# KiCad board panel.opm-inline.kicad_pcb
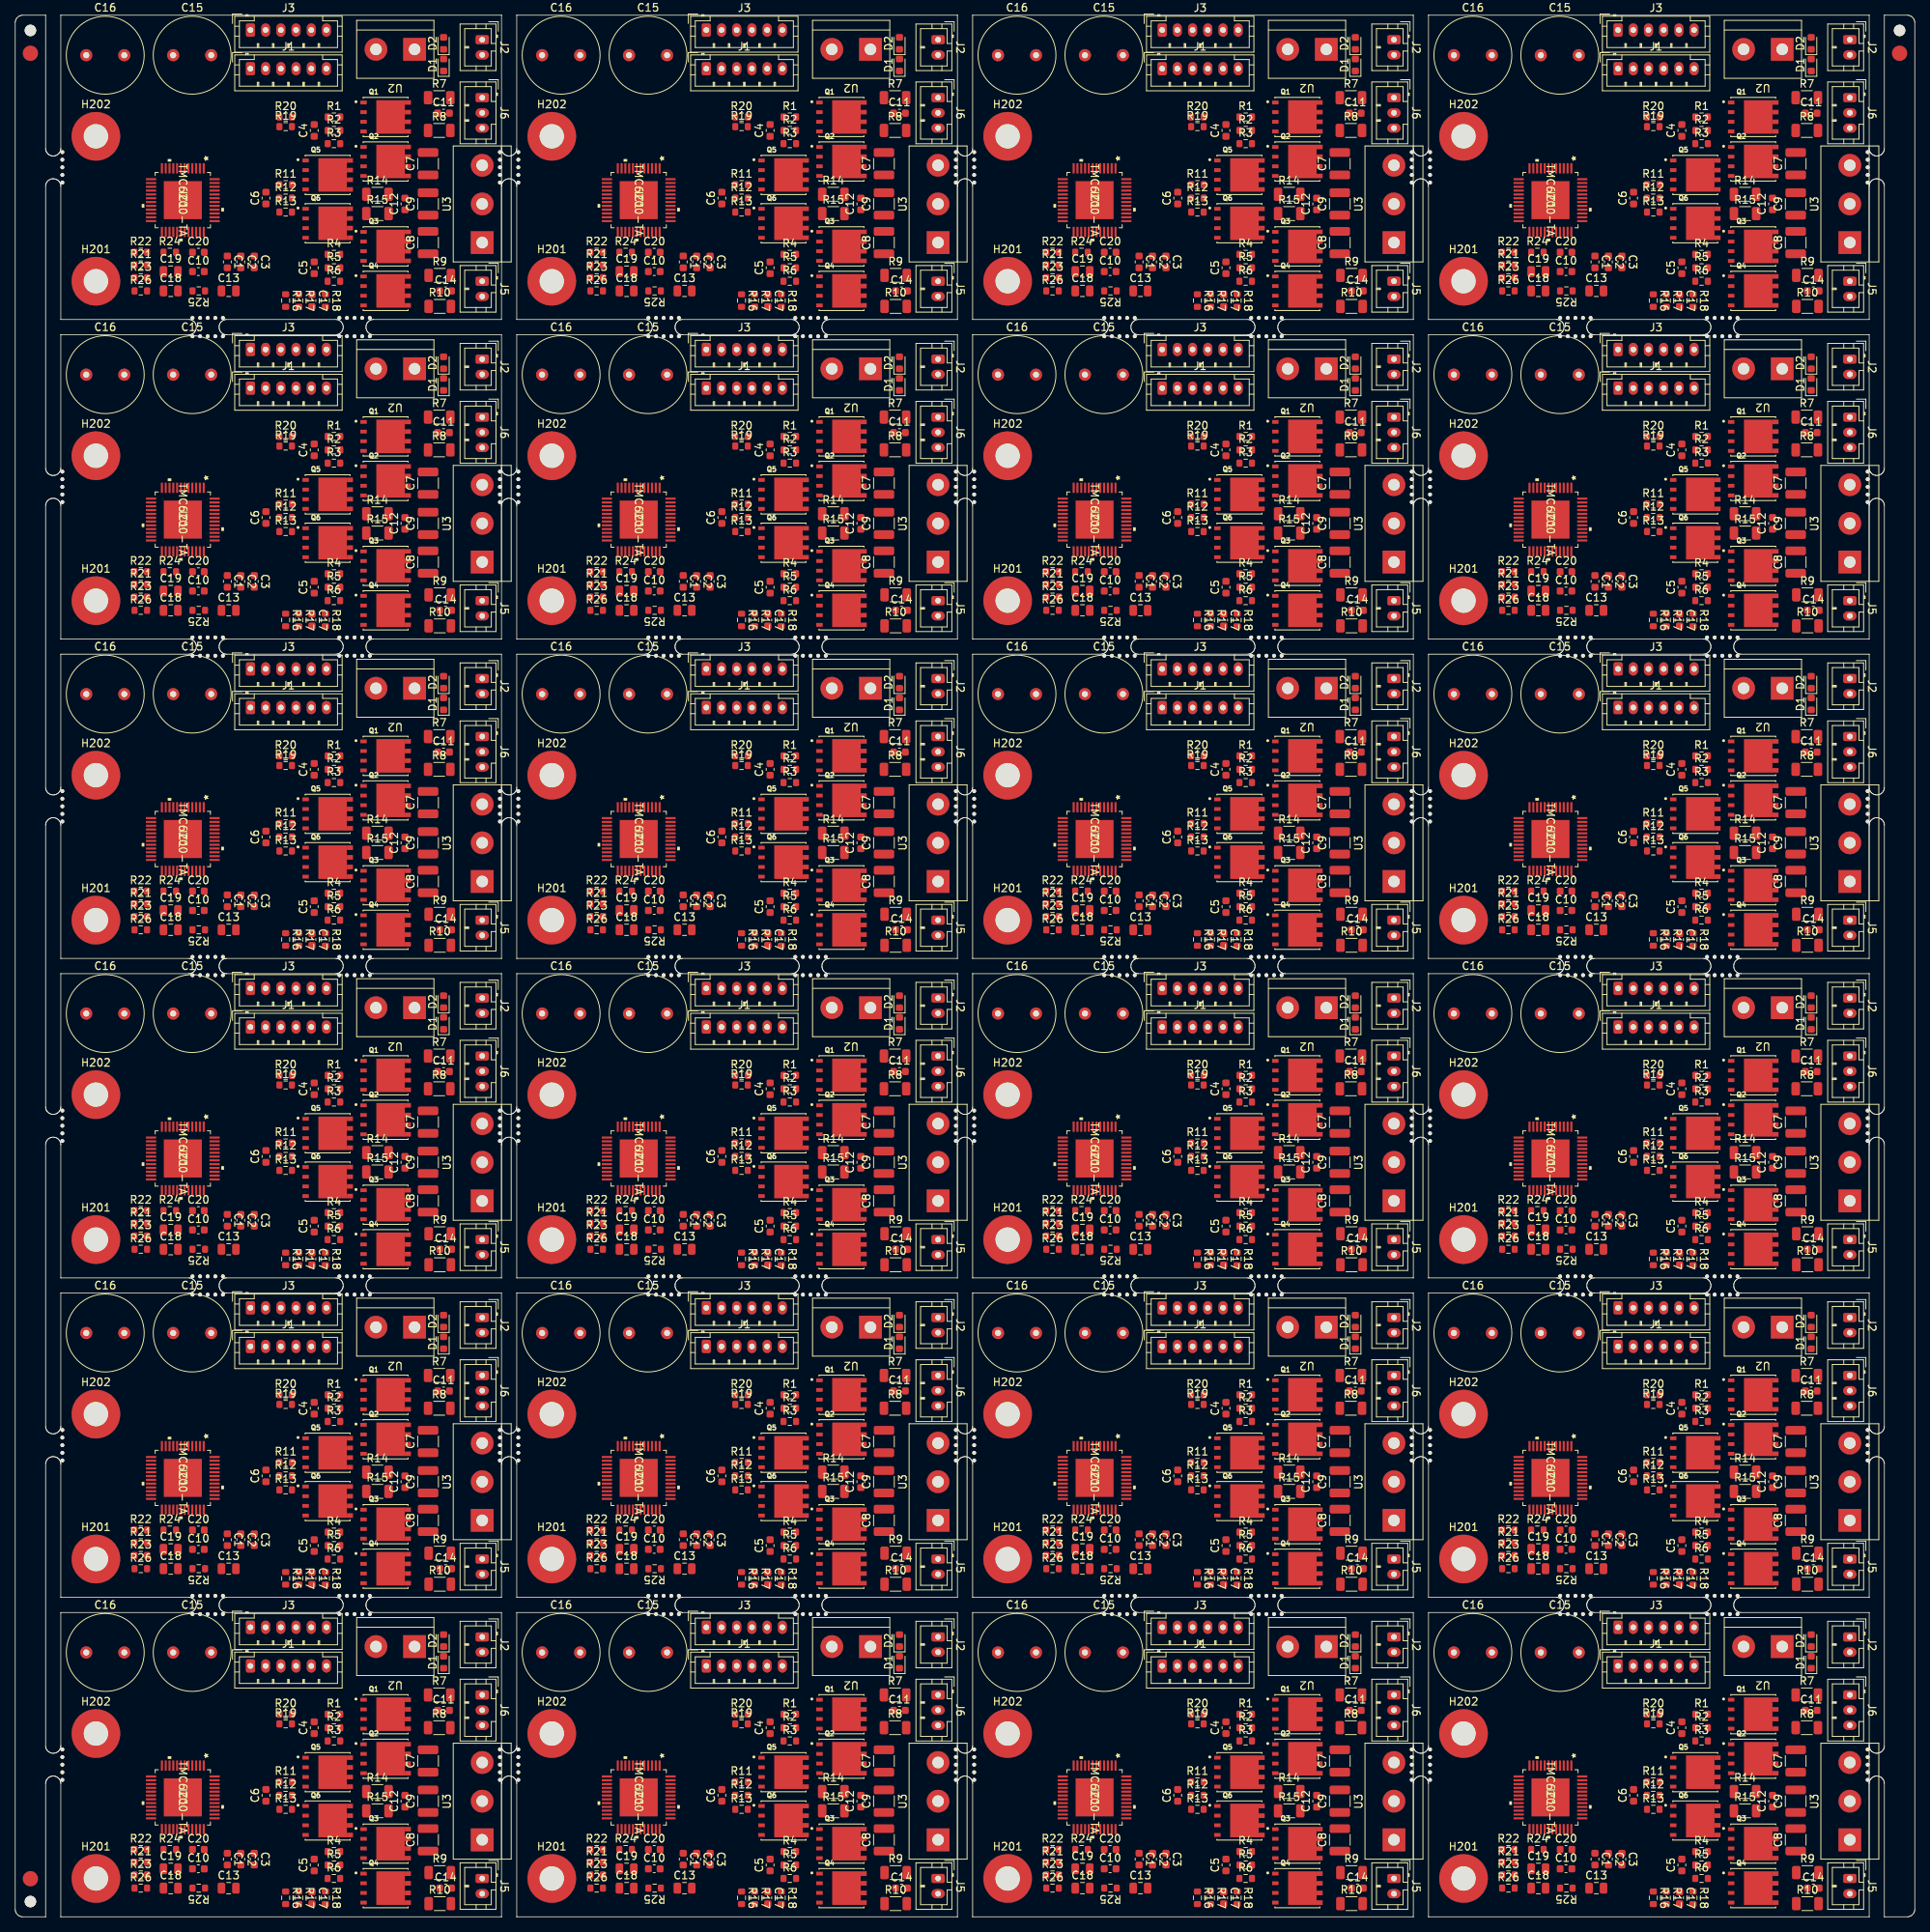
[diagram p0: board, top side]
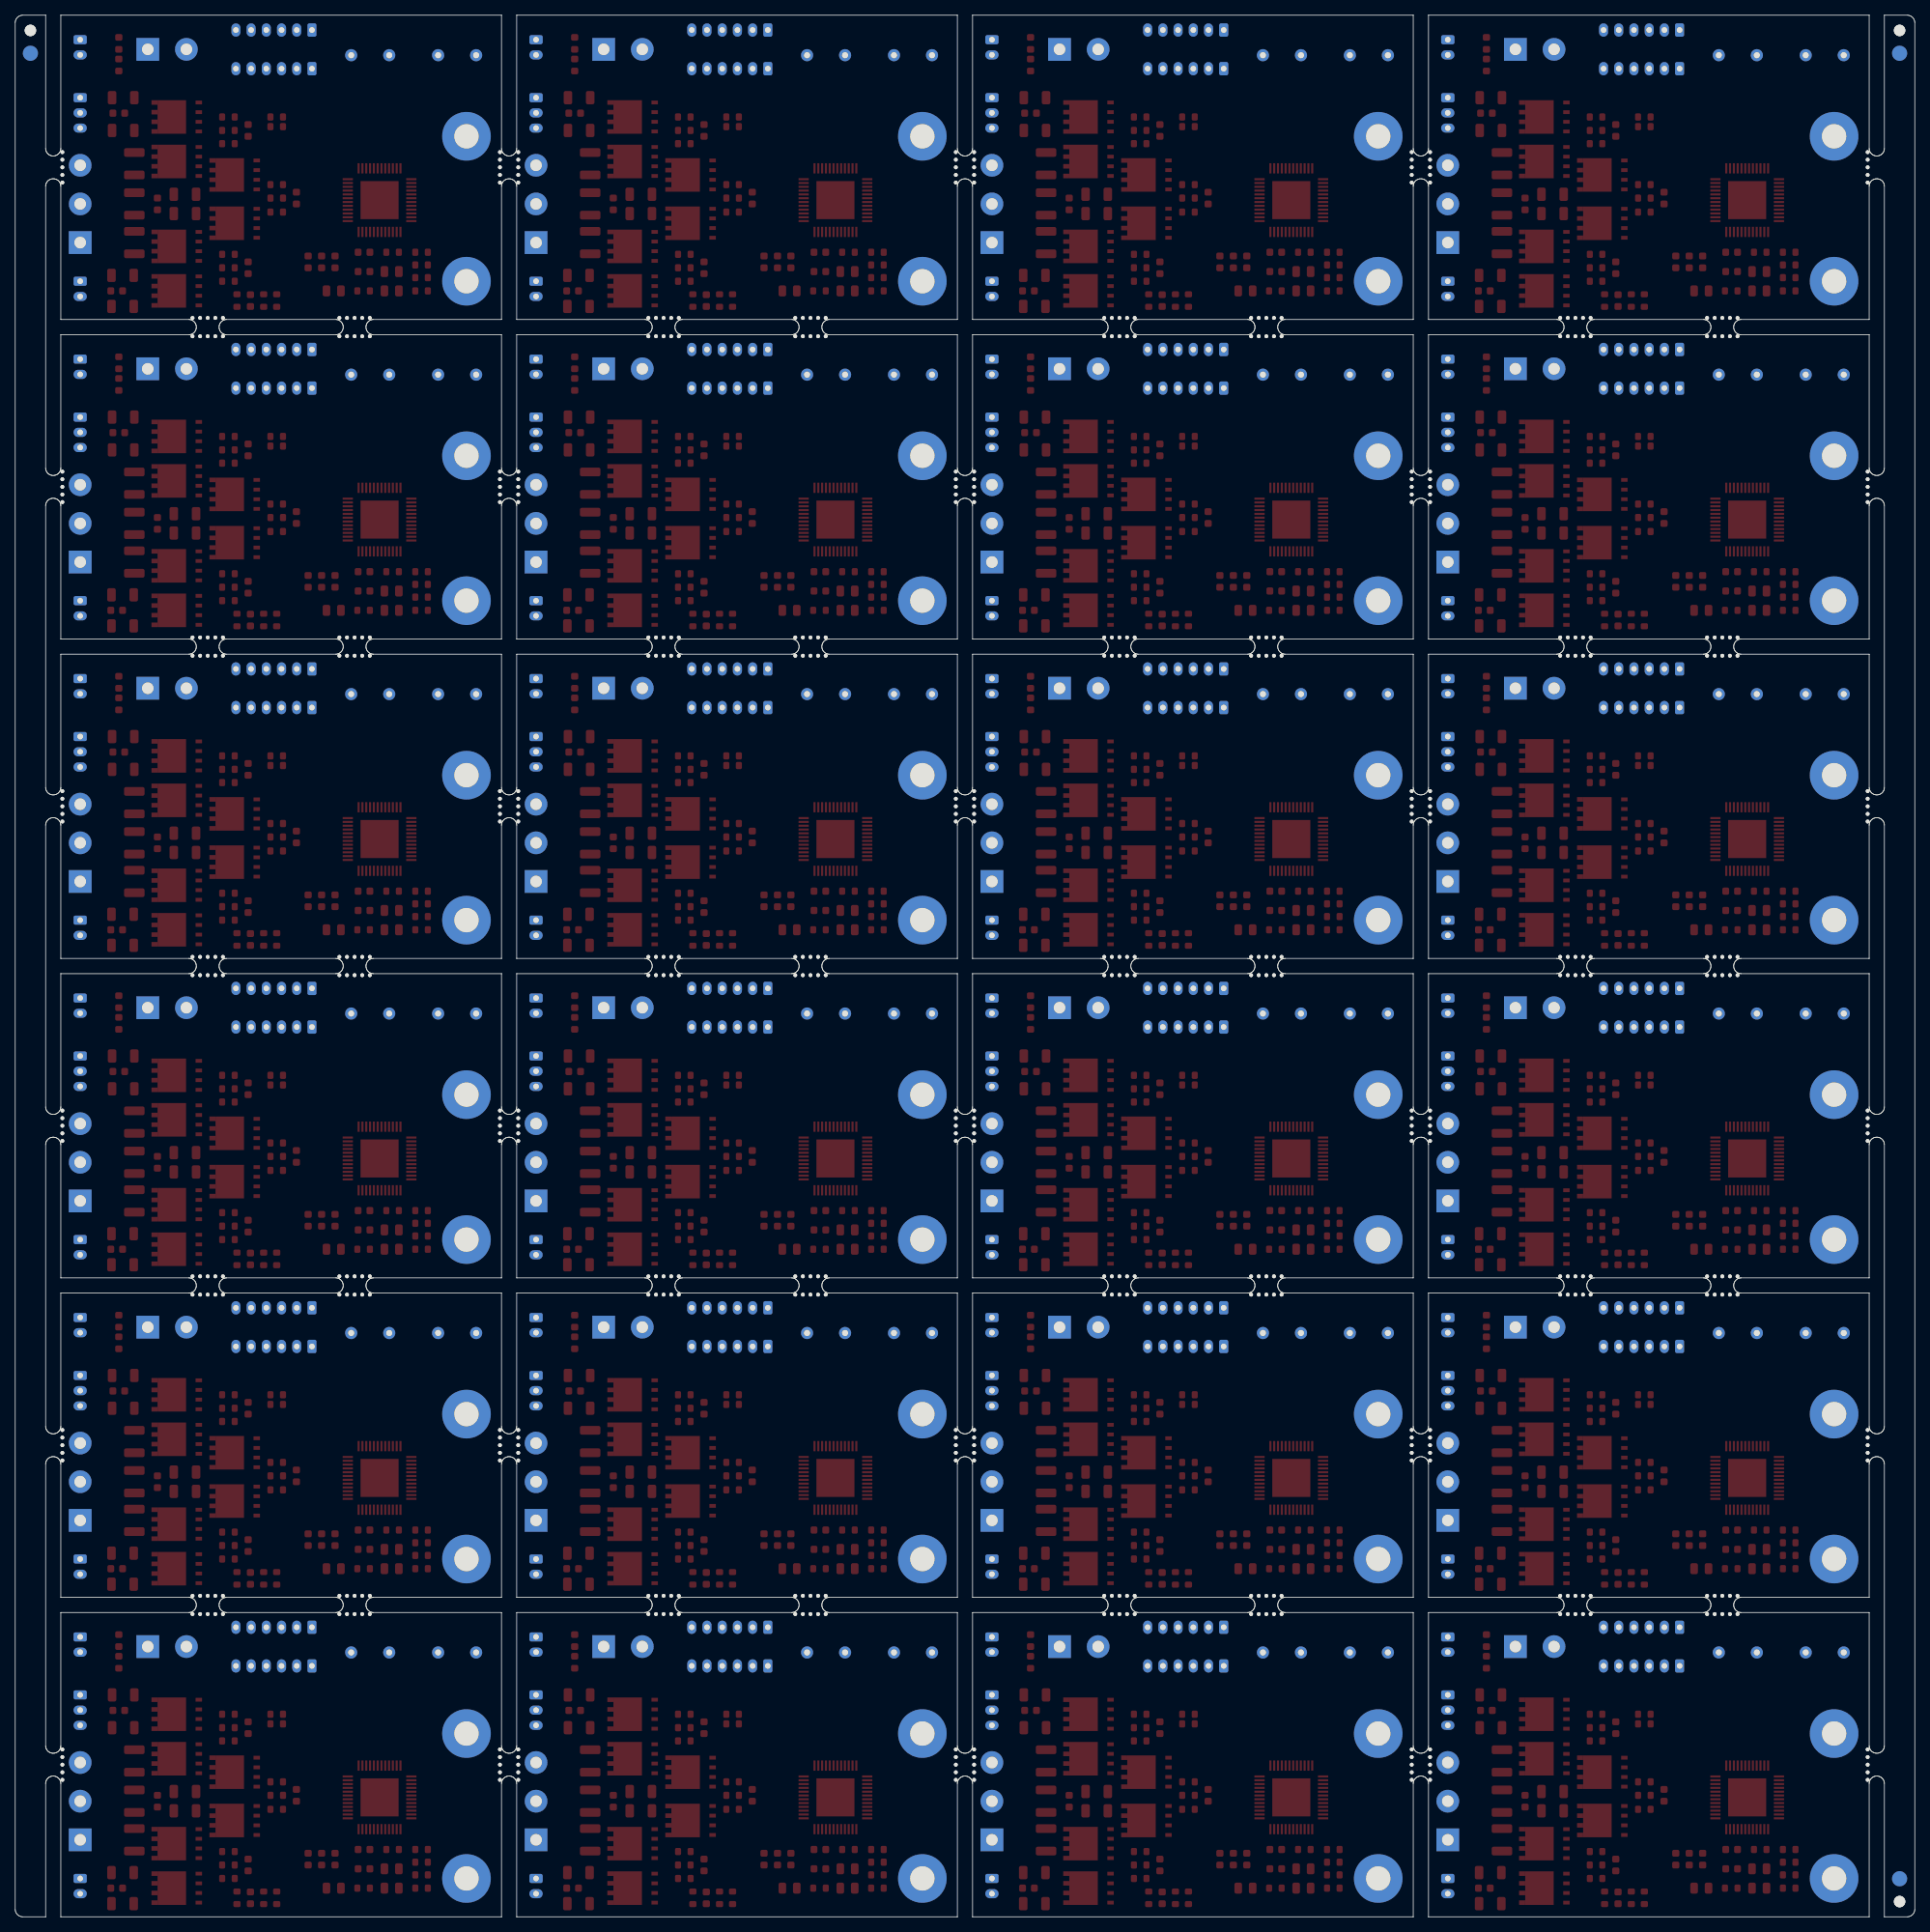
[diagram p1: board, bottom side, seen from below]

Outline 249.8 x 249.95 mm; copper layers: Top, Bottom. Coordinates in mm from the lower left corner of the outline.

## Placement (name value [footprint] x y rotation side)
C1  22nF/100V  [C_0603_1608Metric]  27.9 217.53 270 top
C1#2  22nF/100V  [C_0603_1608Metric]  87.85 217.53 270 top
C1#3  22nF/100V  [C_0603_1608Metric]  147.8 217.53 270 top
C1#4  22nF/100V  [C_0603_1608Metric]  207.75 217.53 270 top
C1#5  22nF/100V  [C_0603_1608Metric]  27.9 175.54 270 top
C1#6  22nF/100V  [C_0603_1608Metric]  87.85 175.54 270 top
C1#7  22nF/100V  [C_0603_1608Metric]  147.8 175.54 270 top
C1#8  22nF/100V  [C_0603_1608Metric]  207.75 175.54 270 top
C1#9  22nF/100V  [C_0603_1608Metric]  27.9 133.55 270 top
C1#10  22nF/100V  [C_0603_1608Metric]  87.85 133.55 270 top
C1#11  22nF/100V  [C_0603_1608Metric]  147.8 133.55 270 top
C1#12  22nF/100V  [C_0603_1608Metric]  207.75 133.55 270 top
C1#13  22nF/100V  [C_0603_1608Metric]  27.9 91.56 270 top
C1#14  22nF/100V  [C_0603_1608Metric]  87.85 91.56 270 top
C1#15  22nF/100V  [C_0603_1608Metric]  147.8 91.56 270 top
C1#16  22nF/100V  [C_0603_1608Metric]  207.75 91.56 270 top
C1#17  22nF/100V  [C_0603_1608Metric]  27.9 49.57 270 top
C1#18  22nF/100V  [C_0603_1608Metric]  87.85 49.57 270 top
C1#19  22nF/100V  [C_0603_1608Metric]  147.8 49.57 270 top
C1#20  22nF/100V  [C_0603_1608Metric]  207.75 49.57 270 top
C1#21  22nF/100V  [C_0603_1608Metric]  27.9 7.58 270 top
C1#22  22nF/100V  [C_0603_1608Metric]  87.85 7.58 270 top
C1#23  22nF/100V  [C_0603_1608Metric]  147.8 7.58 270 top
C1#24  22nF/100V  [C_0603_1608Metric]  207.75 7.58 270 top
C2  100nF/100V  [C_0603_1608Metric]  29.66 217.53 270 top
C2#2  100nF/100V  [C_0603_1608Metric]  89.61 217.53 270 top
C2#3  100nF/100V  [C_0603_1608Metric]  149.56 217.53 270 top
C2#4  100nF/100V  [C_0603_1608Metric]  209.51 217.53 270 top
C2#5  100nF/100V  [C_0603_1608Metric]  29.66 175.54 270 top
C2#6  100nF/100V  [C_0603_1608Metric]  89.61 175.54 270 top
C2#7  100nF/100V  [C_0603_1608Metric]  149.56 175.54 270 top
C2#8  100nF/100V  [C_0603_1608Metric]  209.51 175.54 270 top
C2#9  100nF/100V  [C_0603_1608Metric]  29.66 133.55 270 top
C2#10  100nF/100V  [C_0603_1608Metric]  89.61 133.55 270 top
C2#11  100nF/100V  [C_0603_1608Metric]  149.56 133.55 270 top
C2#12  100nF/100V  [C_0603_1608Metric]  209.51 133.55 270 top
C2#13  100nF/100V  [C_0603_1608Metric]  29.66 91.56 270 top
C2#14  100nF/100V  [C_0603_1608Metric]  89.61 91.56 270 top
C2#15  100nF/100V  [C_0603_1608Metric]  149.56 91.56 270 top
C2#16  100nF/100V  [C_0603_1608Metric]  209.51 91.56 270 top
C2#17  100nF/100V  [C_0603_1608Metric]  29.66 49.57 270 top
C2#18  100nF/100V  [C_0603_1608Metric]  89.61 49.57 270 top
C2#19  100nF/100V  [C_0603_1608Metric]  149.56 49.57 270 top
C2#20  100nF/100V  [C_0603_1608Metric]  209.51 49.57 270 top
C2#21  100nF/100V  [C_0603_1608Metric]  29.66 7.58 270 top
C2#22  100nF/100V  [C_0603_1608Metric]  89.61 7.58 270 top
C2#23  100nF/100V  [C_0603_1608Metric]  149.56 7.58 270 top
C2#24  100nF/100V  [C_0603_1608Metric]  209.51 7.58 270 top
C3  100nF/100V  [C_0603_1608Metric]  31.43 217.53 270 top
C3#2  100nF/100V  [C_0603_1608Metric]  91.38 217.53 270 top
C3#3  100nF/100V  [C_0603_1608Metric]  151.33 217.53 270 top
C3#4  100nF/100V  [C_0603_1608Metric]  211.28 217.53 270 top
C3#5  100nF/100V  [C_0603_1608Metric]  31.43 175.54 270 top
C3#6  100nF/100V  [C_0603_1608Metric]  91.38 175.54 270 top
C3#7  100nF/100V  [C_0603_1608Metric]  151.33 175.54 270 top
C3#8  100nF/100V  [C_0603_1608Metric]  211.28 175.54 270 top
C3#9  100nF/100V  [C_0603_1608Metric]  31.43 133.55 270 top
C3#10  100nF/100V  [C_0603_1608Metric]  91.38 133.55 270 top
C3#11  100nF/100V  [C_0603_1608Metric]  151.33 133.55 270 top
C3#12  100nF/100V  [C_0603_1608Metric]  211.28 133.55 270 top
C3#13  100nF/100V  [C_0603_1608Metric]  31.43 91.56 270 top
C3#14  100nF/100V  [C_0603_1608Metric]  91.38 91.56 270 top
C3#15  100nF/100V  [C_0603_1608Metric]  151.33 91.56 270 top
C3#16  100nF/100V  [C_0603_1608Metric]  211.28 91.56 270 top
C3#17  100nF/100V  [C_0603_1608Metric]  31.43 49.57 270 top
C3#18  100nF/100V  [C_0603_1608Metric]  91.38 49.57 270 top
C3#19  100nF/100V  [C_0603_1608Metric]  151.33 49.57 270 top
C3#20  100nF/100V  [C_0603_1608Metric]  211.28 49.57 270 top
C3#21  100nF/100V  [C_0603_1608Metric]  31.43 7.58 270 top
C3#22  100nF/100V  [C_0603_1608Metric]  91.38 7.58 270 top
C3#23  100nF/100V  [C_0603_1608Metric]  151.33 7.58 270 top
C3#24  100nF/100V  [C_0603_1608Metric]  211.28 7.58 270 top
C4  470nF/16V  [C_0603_1608Metric]  39.32 234.81 90 top
C4#2  470nF/16V  [C_0603_1608Metric]  99.27 234.81 90 top
C4#3  470nF/16V  [C_0603_1608Metric]  159.22 234.81 90 top
C4#4  470nF/16V  [C_0603_1608Metric]  219.17 234.81 90 top
C4#5  470nF/16V  [C_0603_1608Metric]  39.32 192.82 90 top
C4#6  470nF/16V  [C_0603_1608Metric]  99.27 192.82 90 top
C4#7  470nF/16V  [C_0603_1608Metric]  159.22 192.82 90 top
C4#8  470nF/16V  [C_0603_1608Metric]  219.17 192.82 90 top
C4#9  470nF/16V  [C_0603_1608Metric]  39.32 150.83 90 top
C4#10  470nF/16V  [C_0603_1608Metric]  99.27 150.83 90 top
C4#11  470nF/16V  [C_0603_1608Metric]  159.22 150.83 90 top
C4#12  470nF/16V  [C_0603_1608Metric]  219.17 150.83 90 top
C4#13  470nF/16V  [C_0603_1608Metric]  39.32 108.84 90 top
C4#14  470nF/16V  [C_0603_1608Metric]  99.27 108.84 90 top
C4#15  470nF/16V  [C_0603_1608Metric]  159.22 108.84 90 top
C4#16  470nF/16V  [C_0603_1608Metric]  219.17 108.84 90 top
C4#17  470nF/16V  [C_0603_1608Metric]  39.32 66.85 90 top
C4#18  470nF/16V  [C_0603_1608Metric]  99.27 66.85 90 top
C4#19  470nF/16V  [C_0603_1608Metric]  159.22 66.85 90 top
C4#20  470nF/16V  [C_0603_1608Metric]  219.17 66.85 90 top
C4#21  470nF/16V  [C_0603_1608Metric]  39.32 24.86 90 top
C4#22  470nF/16V  [C_0603_1608Metric]  99.27 24.86 90 top
C4#23  470nF/16V  [C_0603_1608Metric]  159.22 24.86 90 top
C4#24  470nF/16V  [C_0603_1608Metric]  219.17 24.86 90 top
C5  470nF/16V  [C_0603_1608Metric]  39.32 216.76 90 top
C5#2  470nF/16V  [C_0603_1608Metric]  99.27 216.76 90 top
C5#3  470nF/16V  [C_0603_1608Metric]  159.22 216.76 90 top
C5#4  470nF/16V  [C_0603_1608Metric]  219.17 216.76 90 top
C5#5  470nF/16V  [C_0603_1608Metric]  39.32 174.77 90 top
C5#6  470nF/16V  [C_0603_1608Metric]  99.27 174.77 90 top
C5#7  470nF/16V  [C_0603_1608Metric]  159.22 174.77 90 top
C5#8  470nF/16V  [C_0603_1608Metric]  219.17 174.77 90 top
C5#9  470nF/16V  [C_0603_1608Metric]  39.32 132.78 90 top
C5#10  470nF/16V  [C_0603_1608Metric]  99.27 132.78 90 top
C5#11  470nF/16V  [C_0603_1608Metric]  159.22 132.78 90 top
C5#12  470nF/16V  [C_0603_1608Metric]  219.17 132.78 90 top
C5#13  470nF/16V  [C_0603_1608Metric]  39.32 90.79 90 top
C5#14  470nF/16V  [C_0603_1608Metric]  99.27 90.79 90 top
C5#15  470nF/16V  [C_0603_1608Metric]  159.22 90.79 90 top
C5#16  470nF/16V  [C_0603_1608Metric]  219.17 90.79 90 top
C5#17  470nF/16V  [C_0603_1608Metric]  39.32 48.8 90 top
C5#18  470nF/16V  [C_0603_1608Metric]  99.27 48.8 90 top
C5#19  470nF/16V  [C_0603_1608Metric]  159.22 48.8 90 top
C5#20  470nF/16V  [C_0603_1608Metric]  219.17 48.8 90 top
C5#21  470nF/16V  [C_0603_1608Metric]  39.32 6.81 90 top
C5#22  470nF/16V  [C_0603_1608Metric]  99.27 6.81 90 top
C5#23  470nF/16V  [C_0603_1608Metric]  159.22 6.81 90 top
C5#24  470nF/16V  [C_0603_1608Metric]  219.17 6.81 90 top
C6  470nF/16V  [C_0603_1608Metric]  32.98 225.92 90 top
C6#2  470nF/16V  [C_0603_1608Metric]  92.93 225.92 90 top
C6#3  470nF/16V  [C_0603_1608Metric]  152.88 225.92 90 top
C6#4  470nF/16V  [C_0603_1608Metric]  212.83 225.92 90 top
C6#5  470nF/16V  [C_0603_1608Metric]  32.98 183.93 90 top
C6#6  470nF/16V  [C_0603_1608Metric]  92.93 183.93 90 top
C6#7  470nF/16V  [C_0603_1608Metric]  152.88 183.93 90 top
C6#8  470nF/16V  [C_0603_1608Metric]  212.83 183.93 90 top
C6#9  470nF/16V  [C_0603_1608Metric]  32.98 141.94 90 top
C6#10  470nF/16V  [C_0603_1608Metric]  92.93 141.94 90 top
C6#11  470nF/16V  [C_0603_1608Metric]  152.88 141.94 90 top
C6#12  470nF/16V  [C_0603_1608Metric]  212.83 141.94 90 top
C6#13  470nF/16V  [C_0603_1608Metric]  32.98 99.95 90 top
C6#14  470nF/16V  [C_0603_1608Metric]  92.93 99.95 90 top
C6#15  470nF/16V  [C_0603_1608Metric]  152.88 99.95 90 top
C6#16  470nF/16V  [C_0603_1608Metric]  212.83 99.95 90 top
C6#17  470nF/16V  [C_0603_1608Metric]  32.98 57.96 90 top
C6#18  470nF/16V  [C_0603_1608Metric]  92.93 57.96 90 top
C6#19  470nF/16V  [C_0603_1608Metric]  152.88 57.96 90 top
C6#20  470nF/16V  [C_0603_1608Metric]  212.83 57.96 90 top
C6#21  470nF/16V  [C_0603_1608Metric]  32.98 15.97 90 top
C6#22  470nF/16V  [C_0603_1608Metric]  92.93 15.97 90 top
C6#23  470nF/16V  [C_0603_1608Metric]  152.88 15.97 90 top
C6#24  470nF/16V  [C_0603_1608Metric]  212.83 15.97 90 top
C7  2.2uF/100V  [C_1210_3225Metric]  54.29 230.43 90 top
C7#2  2.2uF/100V  [C_1210_3225Metric]  114.24 230.43 90 top
C7#3  2.2uF/100V  [C_1210_3225Metric]  174.19 230.43 90 top
C7#4  2.2uF/100V  [C_1210_3225Metric]  234.14 230.43 90 top
C7#5  2.2uF/100V  [C_1210_3225Metric]  54.29 188.44 90 top
C7#6  2.2uF/100V  [C_1210_3225Metric]  114.24 188.44 90 top
C7#7  2.2uF/100V  [C_1210_3225Metric]  174.19 188.44 90 top
C7#8  2.2uF/100V  [C_1210_3225Metric]  234.14 188.44 90 top
C7#9  2.2uF/100V  [C_1210_3225Metric]  54.29 146.45 90 top
C7#10  2.2uF/100V  [C_1210_3225Metric]  114.24 146.45 90 top
C7#11  2.2uF/100V  [C_1210_3225Metric]  174.19 146.45 90 top
C7#12  2.2uF/100V  [C_1210_3225Metric]  234.14 146.45 90 top
C7#13  2.2uF/100V  [C_1210_3225Metric]  54.29 104.46 90 top
C7#14  2.2uF/100V  [C_1210_3225Metric]  114.24 104.46 90 top
C7#15  2.2uF/100V  [C_1210_3225Metric]  174.19 104.46 90 top
C7#16  2.2uF/100V  [C_1210_3225Metric]  234.14 104.46 90 top
C7#17  2.2uF/100V  [C_1210_3225Metric]  54.29 62.47 90 top
C7#18  2.2uF/100V  [C_1210_3225Metric]  114.24 62.47 90 top
C7#19  2.2uF/100V  [C_1210_3225Metric]  174.19 62.47 90 top
C7#20  2.2uF/100V  [C_1210_3225Metric]  234.14 62.47 90 top
C7#21  2.2uF/100V  [C_1210_3225Metric]  54.29 20.48 90 top
C7#22  2.2uF/100V  [C_1210_3225Metric]  114.24 20.48 90 top
C7#23  2.2uF/100V  [C_1210_3225Metric]  174.19 20.48 90 top
C7#24  2.2uF/100V  [C_1210_3225Metric]  234.14 20.48 90 top
C8  2.2uF/100V  [C_1210_3225Metric]  54.29 220.07 90 top
C8#2  2.2uF/100V  [C_1210_3225Metric]  114.24 220.07 90 top
C8#3  2.2uF/100V  [C_1210_3225Metric]  174.19 220.07 90 top
C8#4  2.2uF/100V  [C_1210_3225Metric]  234.14 220.07 90 top
C8#5  2.2uF/100V  [C_1210_3225Metric]  54.29 178.08 90 top
C8#6  2.2uF/100V  [C_1210_3225Metric]  114.24 178.08 90 top
C8#7  2.2uF/100V  [C_1210_3225Metric]  174.19 178.08 90 top
C8#8  2.2uF/100V  [C_1210_3225Metric]  234.14 178.08 90 top
C8#9  2.2uF/100V  [C_1210_3225Metric]  54.29 136.09 90 top
C8#10  2.2uF/100V  [C_1210_3225Metric]  114.24 136.09 90 top
C8#11  2.2uF/100V  [C_1210_3225Metric]  174.19 136.09 90 top
C8#12  2.2uF/100V  [C_1210_3225Metric]  234.14 136.09 90 top
C8#13  2.2uF/100V  [C_1210_3225Metric]  54.29 94.1 90 top
C8#14  2.2uF/100V  [C_1210_3225Metric]  114.24 94.1 90 top
C8#15  2.2uF/100V  [C_1210_3225Metric]  174.19 94.1 90 top
C8#16  2.2uF/100V  [C_1210_3225Metric]  234.14 94.1 90 top
C8#17  2.2uF/100V  [C_1210_3225Metric]  54.29 52.11 90 top
C8#18  2.2uF/100V  [C_1210_3225Metric]  114.24 52.11 90 top
C8#19  2.2uF/100V  [C_1210_3225Metric]  174.19 52.11 90 top
C8#20  2.2uF/100V  [C_1210_3225Metric]  234.14 52.11 90 top
C8#21  2.2uF/100V  [C_1210_3225Metric]  54.29 10.12 90 top
C8#22  2.2uF/100V  [C_1210_3225Metric]  114.24 10.12 90 top
C8#23  2.2uF/100V  [C_1210_3225Metric]  174.19 10.12 90 top
C8#24  2.2uF/100V  [C_1210_3225Metric]  234.14 10.12 90 top
C9  2.2uF/100V  [C_1210_3225Metric]  54.29 225.15 90 top
C9#2  2.2uF/100V  [C_1210_3225Metric]  114.24 225.15 90 top
C9#3  2.2uF/100V  [C_1210_3225Metric]  174.19 225.15 90 top
C9#4  2.2uF/100V  [C_1210_3225Metric]  234.14 225.15 90 top
C9#5  2.2uF/100V  [C_1210_3225Metric]  54.29 183.16 90 top
C9#6  2.2uF/100V  [C_1210_3225Metric]  114.24 183.16 90 top
C9#7  2.2uF/100V  [C_1210_3225Metric]  174.19 183.16 90 top
C9#8  2.2uF/100V  [C_1210_3225Metric]  234.14 183.16 90 top
C9#9  2.2uF/100V  [C_1210_3225Metric]  54.29 141.17 90 top
C9#10  2.2uF/100V  [C_1210_3225Metric]  114.24 141.17 90 top
C9#11  2.2uF/100V  [C_1210_3225Metric]  174.19 141.17 90 top
C9#12  2.2uF/100V  [C_1210_3225Metric]  234.14 141.17 90 top
C9#13  2.2uF/100V  [C_1210_3225Metric]  54.29 99.18 90 top
C9#14  2.2uF/100V  [C_1210_3225Metric]  114.24 99.18 90 top
C9#15  2.2uF/100V  [C_1210_3225Metric]  174.19 99.18 90 top
C9#16  2.2uF/100V  [C_1210_3225Metric]  234.14 99.18 90 top
C9#17  2.2uF/100V  [C_1210_3225Metric]  54.29 57.19 90 top
C9#18  2.2uF/100V  [C_1210_3225Metric]  114.24 57.19 90 top
C9#19  2.2uF/100V  [C_1210_3225Metric]  174.19 57.19 90 top
C9#20  2.2uF/100V  [C_1210_3225Metric]  234.14 57.19 90 top
C9#21  2.2uF/100V  [C_1210_3225Metric]  54.29 15.2 90 top
C9#22  2.2uF/100V  [C_1210_3225Metric]  114.24 15.2 90 top
C9#23  2.2uF/100V  [C_1210_3225Metric]  174.19 15.2 90 top
C9#24  2.2uF/100V  [C_1210_3225Metric]  234.14 15.2 90 top
C10  100nF/50V  [C_0603_1608Metric]  24.09 216.26 0 top
C10#2  100nF/50V  [C_0603_1608Metric]  84.04 216.26 0 top
C10#3  100nF/50V  [C_0603_1608Metric]  143.99 216.26 0 top
C10#4  100nF/50V  [C_0603_1608Metric]  203.94 216.26 0 top
C10#5  100nF/50V  [C_0603_1608Metric]  24.09 174.27 0 top
C10#6  100nF/50V  [C_0603_1608Metric]  84.04 174.27 0 top
C10#7  100nF/50V  [C_0603_1608Metric]  143.99 174.27 0 top
C10#8  100nF/50V  [C_0603_1608Metric]  203.94 174.27 0 top
C10#9  100nF/50V  [C_0603_1608Metric]  24.09 132.28 0 top
C10#10  100nF/50V  [C_0603_1608Metric]  84.04 132.28 0 top
C10#11  100nF/50V  [C_0603_1608Metric]  143.99 132.28 0 top
C10#12  100nF/50V  [C_0603_1608Metric]  203.94 132.28 0 top
C10#13  100nF/50V  [C_0603_1608Metric]  24.09 90.29 0 top
C10#14  100nF/50V  [C_0603_1608Metric]  84.04 90.29 0 top
C10#15  100nF/50V  [C_0603_1608Metric]  143.99 90.29 0 top
C10#16  100nF/50V  [C_0603_1608Metric]  203.94 90.29 0 top
C10#17  100nF/50V  [C_0603_1608Metric]  24.09 48.3 0 top
C10#18  100nF/50V  [C_0603_1608Metric]  84.04 48.3 0 top
C10#19  100nF/50V  [C_0603_1608Metric]  143.99 48.3 0 top
C10#20  100nF/50V  [C_0603_1608Metric]  203.94 48.3 0 top
C10#21  100nF/50V  [C_0603_1608Metric]  24.09 6.31 0 top
C10#22  100nF/50V  [C_0603_1608Metric]  84.04 6.31 0 top
C10#23  100nF/50V  [C_0603_1608Metric]  143.99 6.31 0 top
C10#24  100nF/50V  [C_0603_1608Metric]  203.94 6.31 0 top
C11  1nF/100V  [C_0603_1608Metric]  56.33 237.08 0 top
C11#2  1nF/100V  [C_0603_1608Metric]  116.28 237.08 0 top
C11#3  1nF/100V  [C_0603_1608Metric]  176.23 237.08 0 top
C11#4  1nF/100V  [C_0603_1608Metric]  236.18 237.08 0 top
C11#5  1nF/100V  [C_0603_1608Metric]  56.33 195.09 0 top
C11#6  1nF/100V  [C_0603_1608Metric]  116.28 195.09 0 top
C11#7  1nF/100V  [C_0603_1608Metric]  176.23 195.09 0 top
C11#8  1nF/100V  [C_0603_1608Metric]  236.18 195.09 0 top
C11#9  1nF/100V  [C_0603_1608Metric]  56.33 153.1 0 top
C11#10  1nF/100V  [C_0603_1608Metric]  116.28 153.1 0 top
C11#11  1nF/100V  [C_0603_1608Metric]  176.23 153.1 0 top
C11#12  1nF/100V  [C_0603_1608Metric]  236.18 153.1 0 top
C11#13  1nF/100V  [C_0603_1608Metric]  56.33 111.11 0 top
C11#14  1nF/100V  [C_0603_1608Metric]  116.28 111.11 0 top
C11#15  1nF/100V  [C_0603_1608Metric]  176.23 111.11 0 top
C11#16  1nF/100V  [C_0603_1608Metric]  236.18 111.11 0 top
C11#17  1nF/100V  [C_0603_1608Metric]  56.33 69.12 0 top
C11#18  1nF/100V  [C_0603_1608Metric]  116.28 69.12 0 top
C11#19  1nF/100V  [C_0603_1608Metric]  176.23 69.12 0 top
C11#20  1nF/100V  [C_0603_1608Metric]  236.18 69.12 0 top
C11#21  1nF/100V  [C_0603_1608Metric]  56.33 27.13 0 top
C11#22  1nF/100V  [C_0603_1608Metric]  116.28 27.13 0 top
C11#23  1nF/100V  [C_0603_1608Metric]  176.23 27.13 0 top
C11#24  1nF/100V  [C_0603_1608Metric]  236.18 27.13 0 top
C12  1nF/100V  [C_0603_1608Metric]  51.25 225.15 90 top
C12#2  1nF/100V  [C_0603_1608Metric]  111.2 225.15 90 top
C12#3  1nF/100V  [C_0603_1608Metric]  171.15 225.15 90 top
C12#4  1nF/100V  [C_0603_1608Metric]  231.1 225.15 90 top
C12#5  1nF/100V  [C_0603_1608Metric]  51.25 183.16 90 top
C12#6  1nF/100V  [C_0603_1608Metric]  111.2 183.16 90 top
C12#7  1nF/100V  [C_0603_1608Metric]  171.15 183.16 90 top
C12#8  1nF/100V  [C_0603_1608Metric]  231.1 183.16 90 top
C12#9  1nF/100V  [C_0603_1608Metric]  51.25 141.17 90 top
C12#10  1nF/100V  [C_0603_1608Metric]  111.2 141.17 90 top
C12#11  1nF/100V  [C_0603_1608Metric]  171.15 141.17 90 top
C12#12  1nF/100V  [C_0603_1608Metric]  231.1 141.17 90 top
C12#13  1nF/100V  [C_0603_1608Metric]  51.25 99.18 90 top
C12#14  1nF/100V  [C_0603_1608Metric]  111.2 99.18 90 top
C12#15  1nF/100V  [C_0603_1608Metric]  171.15 99.18 90 top
C12#16  1nF/100V  [C_0603_1608Metric]  231.1 99.18 90 top
C12#17  1nF/100V  [C_0603_1608Metric]  51.25 57.19 90 top
C12#18  1nF/100V  [C_0603_1608Metric]  111.2 57.19 90 top
C12#19  1nF/100V  [C_0603_1608Metric]  171.15 57.19 90 top
C12#20  1nF/100V  [C_0603_1608Metric]  231.1 57.19 90 top
C12#21  1nF/100V  [C_0603_1608Metric]  51.25 15.2 90 top
C12#22  1nF/100V  [C_0603_1608Metric]  111.2 15.2 90 top
C12#23  1nF/100V  [C_0603_1608Metric]  171.15 15.2 90 top
C12#24  1nF/100V  [C_0603_1608Metric]  231.1 15.2 90 top
C13  2,2uF/50V  [C_0805_2012Metric]  28.07 213.72 0 top
C13#2  2,2uF/50V  [C_0805_2012Metric]  88.02 213.72 0 top
C13#3  2,2uF/50V  [C_0805_2012Metric]  147.97 213.72 0 top
C13#4  2,2uF/50V  [C_0805_2012Metric]  207.92 213.72 0 top
C13#5  2,2uF/50V  [C_0805_2012Metric]  28.07 171.73 0 top
C13#6  2,2uF/50V  [C_0805_2012Metric]  88.02 171.73 0 top
C13#7  2,2uF/50V  [C_0805_2012Metric]  147.97 171.73 0 top
C13#8  2,2uF/50V  [C_0805_2012Metric]  207.92 171.73 0 top
C13#9  2,2uF/50V  [C_0805_2012Metric]  28.07 129.74 0 top
C13#10  2,2uF/50V  [C_0805_2012Metric]  88.02 129.74 0 top